# KiCad board panel.kicad_pcb
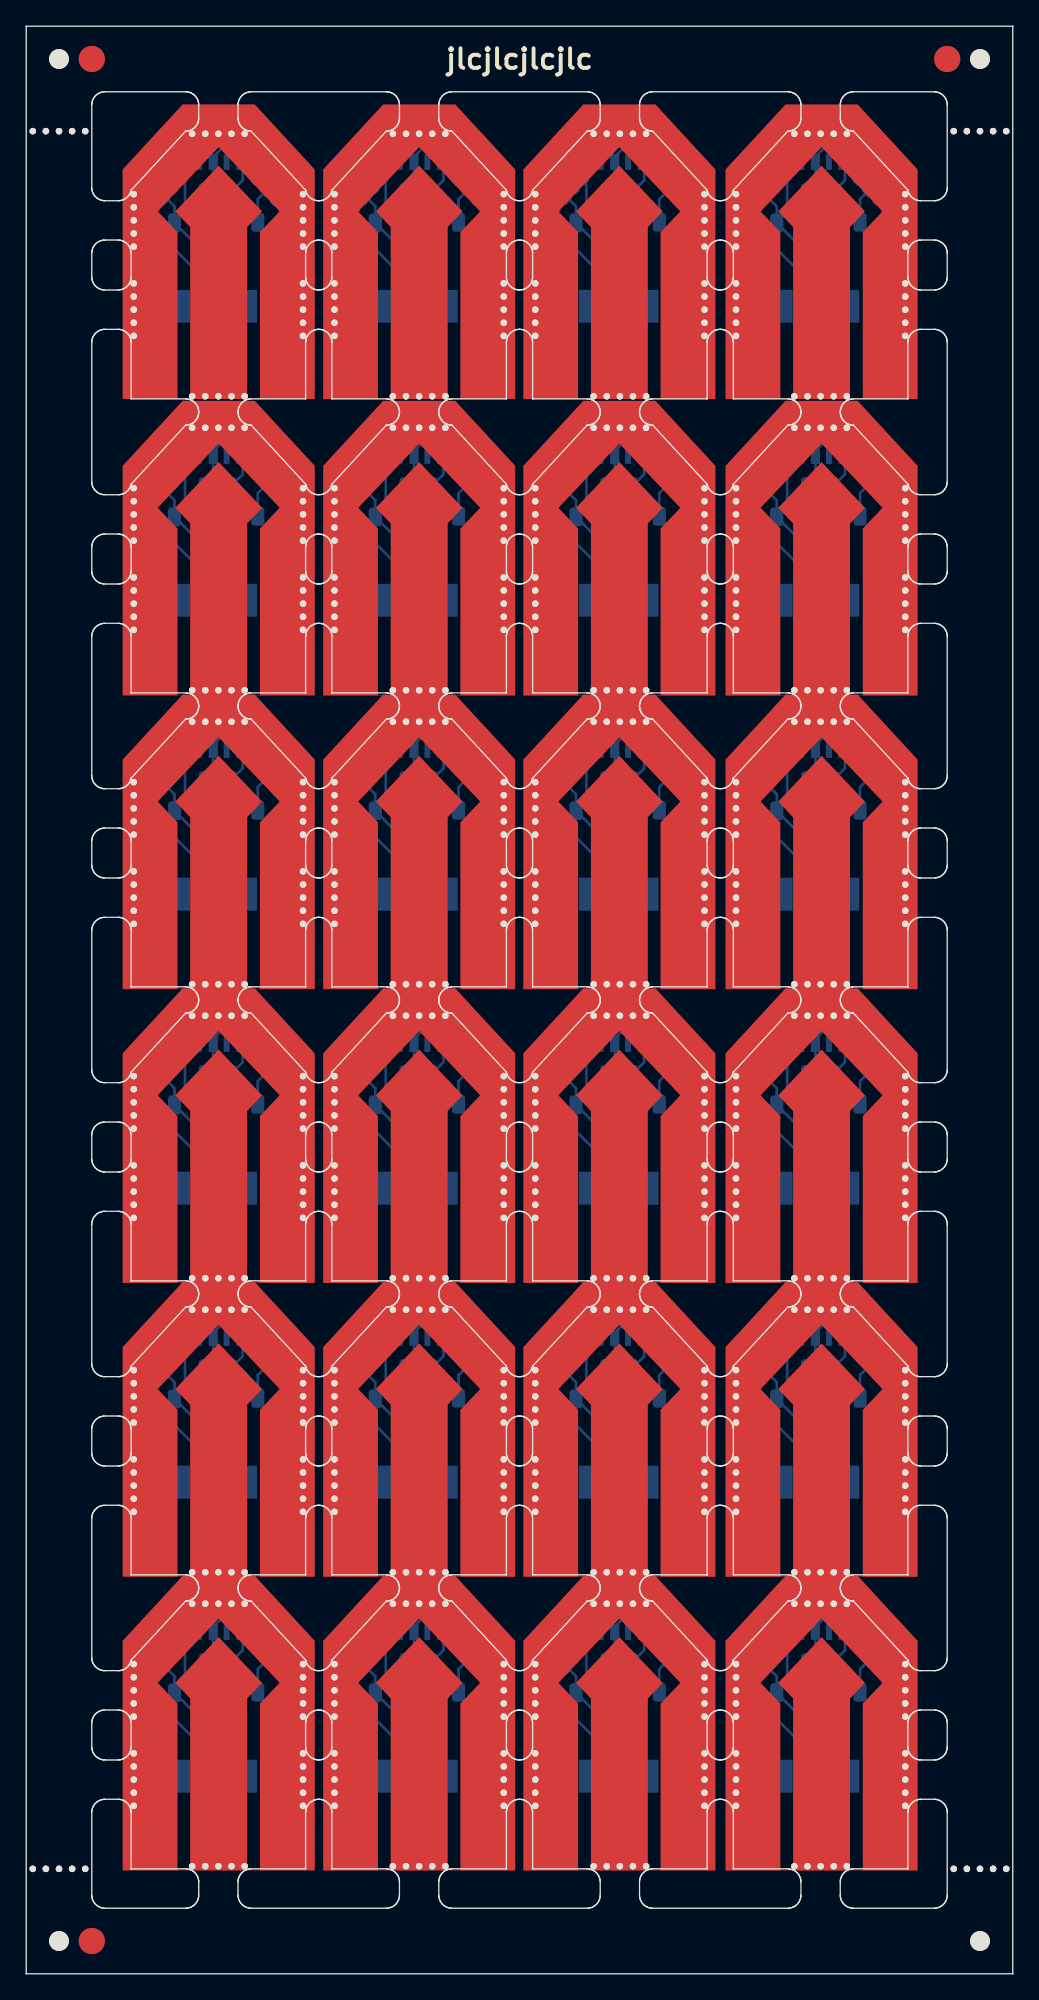
[diagram p0: board, top side]
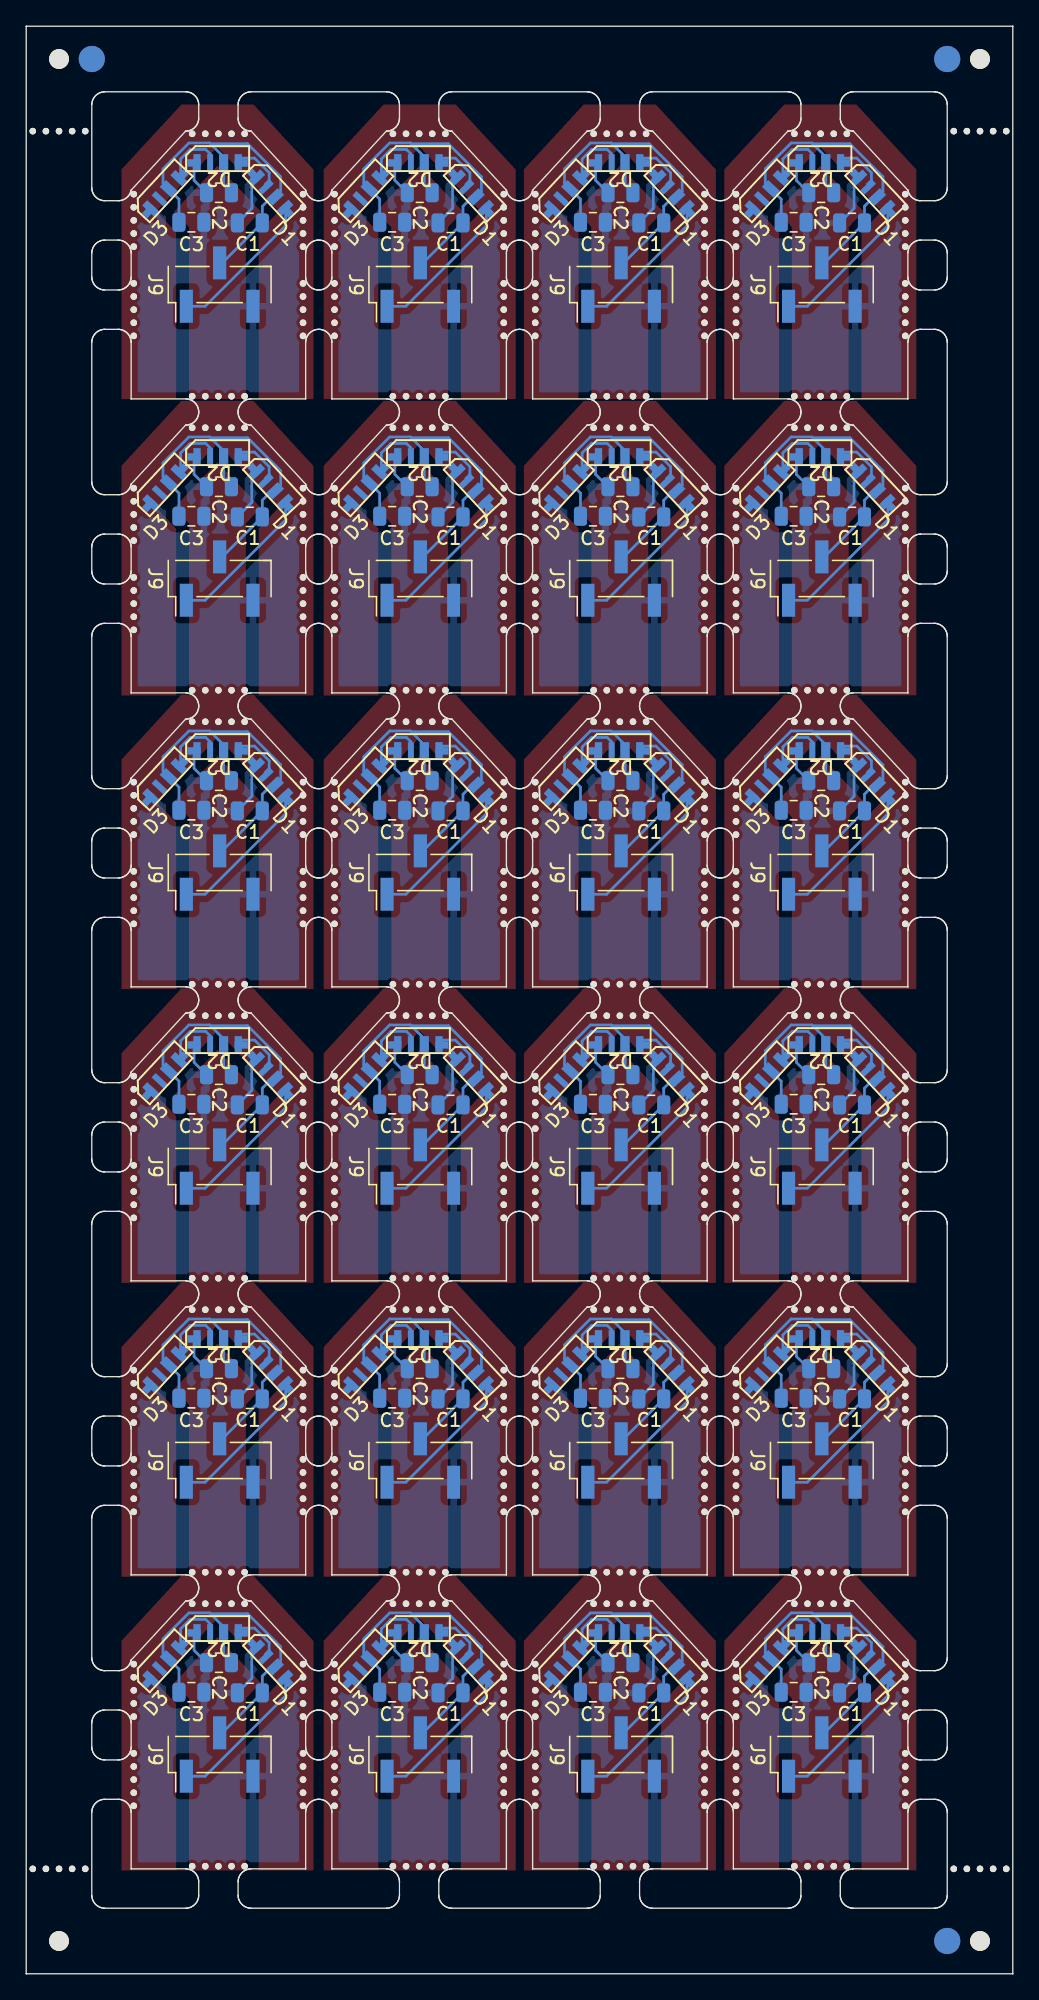
[diagram p1: board, bottom side, seen from below]

Outline 75.23 x 148.51 mm; copper layers: Top, Bottom. Coordinates in mm from the lower left corner of the outline.

## Placement (name value [footprint] x y rotation side)
C1  C_Small  [C_0805_2012Metric]  12.26 133.51 180 bottom
C1#2  C_Small  [C_0805_2012Metric]  58.19 111.09 180 bottom
C1#3  C_Small  [C_0805_2012Metric]  12.26 88.67 180 bottom
C1#4  C_Small  [C_0805_2012Metric]  58.19 21.42 180 bottom
C1#5  C_Small  [C_0805_2012Metric]  27.57 88.67 180 bottom
C1#6  C_Small  [C_0805_2012Metric]  58.19 88.67 180 bottom
C1#7  C_Small  [C_0805_2012Metric]  58.19 66.26 180 bottom
C1#8  C_Small  [C_0805_2012Metric]  27.57 21.42 180 bottom
C1#9  C_Small  [C_0805_2012Metric]  12.26 43.84 180 bottom
C1#10  C_Small  [C_0805_2012Metric]  27.57 43.84 180 bottom
C1#11  C_Small  [C_0805_2012Metric]  42.88 111.09 180 bottom
C1#12  C_Small  [C_0805_2012Metric]  27.57 66.26 180 bottom
C1#13  C_Small  [C_0805_2012Metric]  42.88 133.51 180 bottom
C1#14  C_Small  [C_0805_2012Metric]  58.19 133.51 180 bottom
C1#15  C_Small  [C_0805_2012Metric]  58.19 43.84 180 bottom
C1#16  C_Small  [C_0805_2012Metric]  42.88 21.42 180 bottom
C1#17  C_Small  [C_0805_2012Metric]  42.88 66.26 180 bottom
C1#18  C_Small  [C_0805_2012Metric]  12.26 111.09 180 bottom
C1#19  C_Small  [C_0805_2012Metric]  12.26 66.26 180 bottom
C1#20  C_Small  [C_0805_2012Metric]  12.26 21.42 180 bottom
C1#21  C_Small  [C_0805_2012Metric]  42.88 88.67 180 bottom
C1#22  C_Small  [C_0805_2012Metric]  27.57 111.09 180 bottom
C1#23  C_Small  [C_0805_2012Metric]  27.57 133.51 180 bottom
C1#24  C_Small  [C_0805_2012Metric]  42.88 43.84 180 bottom
C2  C_Small  [C_0805_2012Metric]  14.61 90.97 180 bottom
C2#2  C_Small  [C_0805_2012Metric]  45.23 113.39 180 bottom
C2#3  C_Small  [C_0805_2012Metric]  45.23 23.72 180 bottom
C2#4  C_Small  [C_0805_2012Metric]  45.23 135.81 180 bottom
C2#5  C_Small  [C_0805_2012Metric]  29.92 135.81 180 bottom
C2#6  C_Small  [C_0805_2012Metric]  45.23 90.97 180 bottom
C2#7  C_Small  [C_0805_2012Metric]  29.92 90.97 180 bottom
C2#8  C_Small  [C_0805_2012Metric]  60.54 23.72 180 bottom
C2#9  C_Small  [C_0805_2012Metric]  60.54 68.56 180 bottom
C2#10  C_Small  [C_0805_2012Metric]  45.23 46.14 180 bottom
C2#11  C_Small  [C_0805_2012Metric]  60.54 113.39 180 bottom
C2#12  C_Small  [C_0805_2012Metric]  45.23 68.56 180 bottom
C2#13  C_Small  [C_0805_2012Metric]  14.61 46.14 180 bottom
C2#14  C_Small  [C_0805_2012Metric]  60.54 46.14 180 bottom
C2#15  C_Small  [C_0805_2012Metric]  14.61 68.56 180 bottom
C2#16  C_Small  [C_0805_2012Metric]  29.92 23.72 180 bottom
C2#17  C_Small  [C_0805_2012Metric]  60.54 135.81 180 bottom
C2#18  C_Small  [C_0805_2012Metric]  29.92 68.56 180 bottom
C2#19  C_Small  [C_0805_2012Metric]  14.61 113.39 180 bottom
C2#20  C_Small  [C_0805_2012Metric]  14.61 135.81 180 bottom
C2#21  C_Small  [C_0805_2012Metric]  29.92 46.14 180 bottom
C2#22  C_Small  [C_0805_2012Metric]  29.92 113.39 180 bottom
C2#23  C_Small  [C_0805_2012Metric]  14.61 23.72 180 bottom
C2#24  C_Small  [C_0805_2012Metric]  60.54 90.97 180 bottom
C3  C_Small  [C_0805_2012Metric]  62.64 111.14 0 bottom
C3#2  C_Small  [C_0805_2012Metric]  32.02 88.72 0 bottom
C3#3  C_Small  [C_0805_2012Metric]  47.33 88.72 0 bottom
C3#4  C_Small  [C_0805_2012Metric]  16.71 88.72 0 bottom
C3#5  C_Small  [C_0805_2012Metric]  62.64 133.56 0 bottom
C3#6  C_Small  [C_0805_2012Metric]  16.71 111.14 0 bottom
C3#7  C_Small  [C_0805_2012Metric]  62.64 43.89 0 bottom
C3#8  C_Small  [C_0805_2012Metric]  32.02 111.14 0 bottom
C3#9  C_Small  [C_0805_2012Metric]  47.33 111.14 0 bottom
C3#10  C_Small  [C_0805_2012Metric]  16.71 66.31 0 bottom
C3#11  C_Small  [C_0805_2012Metric]  62.64 21.47 0 bottom
C3#12  C_Small  [C_0805_2012Metric]  16.71 133.56 0 bottom
C3#13  C_Small  [C_0805_2012Metric]  62.64 66.31 0 bottom
C3#14  C_Small  [C_0805_2012Metric]  47.33 133.56 0 bottom
C3#15  C_Small  [C_0805_2012Metric]  32.02 43.89 0 bottom
C3#16  C_Small  [C_0805_2012Metric]  32.02 133.56 0 bottom
C3#17  C_Small  [C_0805_2012Metric]  47.33 43.89 0 bottom
C3#18  C_Small  [C_0805_2012Metric]  16.71 43.89 0 bottom
C3#19  C_Small  [C_0805_2012Metric]  16.71 21.47 0 bottom
C3#20  C_Small  [C_0805_2012Metric]  32.02 21.47 0 bottom
C3#21  C_Small  [C_0805_2012Metric]  47.33 21.47 0 bottom
C3#22  C_Small  [C_0805_2012Metric]  47.33 66.31 0 bottom
C3#23  C_Small  [C_0805_2012Metric]  32.02 66.31 0 bottom
C3#24  C_Small  [C_0805_2012Metric]  62.64 88.72 0 bottom
D1  SK6812  [SK6812SIDE-A-RVS]  56.49 113.34 47 bottom
D1#2  SK6812  [SK6812SIDE-A-RVS]  10.56 68.51 47 bottom
D1#3  SK6812  [SK6812SIDE-A-RVS]  56.49 68.51 47 bottom
D1#4  SK6812  [SK6812SIDE-A-RVS]  25.87 23.67 47 bottom
D1#5  SK6812  [SK6812SIDE-A-RVS]  10.56 90.92 47 bottom
D1#6  SK6812  [SK6812SIDE-A-RVS]  10.56 113.34 47 bottom
D1#7  SK6812  [SK6812SIDE-A-RVS]  41.18 90.92 47 bottom
D1#8  SK6812  [SK6812SIDE-A-RVS]  41.18 46.09 47 bottom
D1#9  SK6812  [SK6812SIDE-A-RVS]  10.56 135.76 47 bottom
D1#10  SK6812  [SK6812SIDE-A-RVS]  41.18 68.51 47 bottom
D1#11  SK6812  [SK6812SIDE-A-RVS]  56.49 23.67 47 bottom
D1#12  SK6812  [SK6812SIDE-A-RVS]  41.18 113.34 47 bottom
D1#13  SK6812  [SK6812SIDE-A-RVS]  56.49 90.92 47 bottom
D1#14  SK6812  [SK6812SIDE-A-RVS]  25.87 113.34 47 bottom
D1#15  SK6812  [SK6812SIDE-A-RVS]  56.49 46.09 47 bottom
D1#16  SK6812  [SK6812SIDE-A-RVS]  25.87 135.76 47 bottom
D1#17  SK6812  [SK6812SIDE-A-RVS]  56.49 135.76 47 bottom
D1#18  SK6812  [SK6812SIDE-A-RVS]  10.56 23.67 47 bottom
D1#19  SK6812  [SK6812SIDE-A-RVS]  25.87 90.92 47 bottom
D1#20  SK6812  [SK6812SIDE-A-RVS]  41.18 23.67 47 bottom
D1#21  SK6812  [SK6812SIDE-A-RVS]  10.56 46.09 47 bottom
D1#22  SK6812  [SK6812SIDE-A-RVS]  25.87 68.51 47 bottom
D1#23  SK6812  [SK6812SIDE-A-RVS]  25.87 46.09 47 bottom
D1#24  SK6812  [SK6812SIDE-A-RVS]  41.18 135.76 47 bottom
D2  SK6812  [SK6812SIDE-A-RVS]  14.61 26.07 0 bottom
D2#2  SK6812  [SK6812SIDE-A-RVS]  60.54 26.07 0 bottom
D2#3  SK6812  [SK6812SIDE-A-RVS]  45.23 26.07 0 bottom
D2#4  SK6812  [SK6812SIDE-A-RVS]  14.61 70.91 0 bottom
D2#5  SK6812  [SK6812SIDE-A-RVS]  60.54 48.49 0 bottom
D2#6  SK6812  [SK6812SIDE-A-RVS]  29.92 48.49 0 bottom
D2#7  SK6812  [SK6812SIDE-A-RVS]  60.54 138.16 0 bottom
D2#8  SK6812  [SK6812SIDE-A-RVS]  29.92 138.16 0 bottom
D2#9  SK6812  [SK6812SIDE-A-RVS]  60.54 93.32 0 bottom
D2#10  SK6812  [SK6812SIDE-A-RVS]  14.61 93.32 0 bottom
D2#11  SK6812  [SK6812SIDE-A-RVS]  29.92 26.07 0 bottom
D2#12  SK6812  [SK6812SIDE-A-RVS]  14.61 115.74 0 bottom
D2#13  SK6812  [SK6812SIDE-A-RVS]  45.23 70.91 0 bottom
D2#14  SK6812  [SK6812SIDE-A-RVS]  45.23 138.16 0 bottom
D2#15  SK6812  [SK6812SIDE-A-RVS]  60.54 115.74 0 bottom
D2#16  SK6812  [SK6812SIDE-A-RVS]  14.61 138.16 0 bottom
D2#17  SK6812  [SK6812SIDE-A-RVS]  45.23 93.32 0 bottom
D2#18  SK6812  [SK6812SIDE-A-RVS]  45.23 115.74 0 bottom
D2#19  SK6812  [SK6812SIDE-A-RVS]  29.92 70.91 0 bottom
D2#20  SK6812  [SK6812SIDE-A-RVS]  14.61 48.49 0 bottom
D2#21  SK6812  [SK6812SIDE-A-RVS]  60.54 70.91 0 bottom
D2#22  SK6812  [SK6812SIDE-A-RVS]  29.92 115.74 0 bottom
D2#23  SK6812  [SK6812SIDE-A-RVS]  45.23 48.49 0 bottom
D2#24  SK6812  [SK6812SIDE-A-RVS]  29.92 93.32 0 bottom
D3  SK6812  [SK6812SIDE-A-RVS]  18.7 113.44 313 bottom
D3#2  SK6812  [SK6812SIDE-A-RVS]  18.7 23.77 313 bottom
D3#3  SK6812  [SK6812SIDE-A-RVS]  34.01 46.19 313 bottom
D3#4  SK6812  [SK6812SIDE-A-RVS]  64.62 46.19 313 bottom
D3#5  SK6812  [SK6812SIDE-A-RVS]  34.01 135.86 313 bottom
D3#6  SK6812  [SK6812SIDE-A-RVS]  18.7 68.61 313 bottom
D3#7  SK6812  [SK6812SIDE-A-RVS]  49.32 91.03 313 bottom
D3#8  SK6812  [SK6812SIDE-A-RVS]  18.7 91.03 313 bottom
D3#9  SK6812  [SK6812SIDE-A-RVS]  49.32 113.44 313 bottom
D3#10  SK6812  [SK6812SIDE-A-RVS]  49.32 135.86 313 bottom
D3#11  SK6812  [SK6812SIDE-A-RVS]  34.01 68.61 313 bottom
D3#12  SK6812  [SK6812SIDE-A-RVS]  64.62 113.44 313 bottom
D3#13  SK6812  [SK6812SIDE-A-RVS]  34.01 113.44 313 bottom
D3#14  SK6812  [SK6812SIDE-A-RVS]  64.62 68.61 313 bottom
D3#15  SK6812  [SK6812SIDE-A-RVS]  34.01 23.77 313 bottom
D3#16  SK6812  [SK6812SIDE-A-RVS]  49.32 23.77 313 bottom
D3#17  SK6812  [SK6812SIDE-A-RVS]  64.62 91.03 313 bottom
D3#18  SK6812  [SK6812SIDE-A-RVS]  64.62 135.86 313 bottom
D3#19  SK6812  [SK6812SIDE-A-RVS]  18.7 46.19 313 bottom
D3#20  SK6812  [SK6812SIDE-A-RVS]  49.32 46.19 313 bottom
D3#21  SK6812  [SK6812SIDE-A-RVS]  18.7 135.86 313 bottom
D3#22  SK6812  [SK6812SIDE-A-RVS]  49.32 68.61 313 bottom
D3#23  SK6812  [SK6812SIDE-A-RVS]  34.01 91.03 313 bottom
D3#24  SK6812  [SK6812SIDE-A-RVS]  64.62 23.77 313 bottom
J9  Conn_01x03  [PinHeader_1x03_P2.54mm_Vertical_SMD_Pin1Left]  29.87 16.72 90 bottom
J9#2  Conn_01x03  [PinHeader_1x03_P2.54mm_Vertical_SMD_Pin1Left]  45.18 106.39 90 bottom
J9#3  Conn_01x03  [PinHeader_1x03_P2.54mm_Vertical_SMD_Pin1Left]  29.87 128.81 90 bottom
J9#4  Conn_01x03  [PinHeader_1x03_P2.54mm_Vertical_SMD_Pin1Left]  14.56 83.97 90 bottom
J9#5  Conn_01x03  [PinHeader_1x03_P2.54mm_Vertical_SMD_Pin1Left]  60.49 16.72 90 bottom
J9#6  Conn_01x03  [PinHeader_1x03_P2.54mm_Vertical_SMD_Pin1Left]  29.87 61.56 90 bottom
J9#7  Conn_01x03  [PinHeader_1x03_P2.54mm_Vertical_SMD_Pin1Left]  14.56 128.81 90 bottom
J9#8  Conn_01x03  [PinHeader_1x03_P2.54mm_Vertical_SMD_Pin1Left]  45.18 83.97 90 bottom
J9#9  Conn_01x03  [PinHeader_1x03_P2.54mm_Vertical_SMD_Pin1Left]  45.18 128.81 90 bottom
J9#10  Conn_01x03  [PinHeader_1x03_P2.54mm_Vertical_SMD_Pin1Left]  14.56 61.56 90 bottom
J9#11  Conn_01x03  [PinHeader_1x03_P2.54mm_Vertical_SMD_Pin1Left]  60.49 39.14 90 bottom
J9#12  Conn_01x03  [PinHeader_1x03_P2.54mm_Vertical_SMD_Pin1Left]  14.56 39.14 90 bottom
J9#13  Conn_01x03  [PinHeader_1x03_P2.54mm_Vertical_SMD_Pin1Left]  29.87 106.39 90 bottom
J9#14  Conn_01x03  [PinHeader_1x03_P2.54mm_Vertical_SMD_Pin1Left]  14.56 16.72 90 bottom
J9#15  Conn_01x03  [PinHeader_1x03_P2.54mm_Vertical_SMD_Pin1Left]  29.87 39.14 90 bottom
J9#16  Conn_01x03  [PinHeader_1x03_P2.54mm_Vertical_SMD_Pin1Left]  60.49 106.39 90 bottom
J9#17  Conn_01x03  [PinHeader_1x03_P2.54mm_Vertical_SMD_Pin1Left]  60.49 83.97 90 bottom
J9#18  Conn_01x03  [PinHeader_1x03_P2.54mm_Vertical_SMD_Pin1Left]  45.18 61.56 90 bottom
J9#19  Conn_01x03  [PinHeader_1x03_P2.54mm_Vertical_SMD_Pin1Left]  60.49 128.81 90 bottom
J9#20  Conn_01x03  [PinHeader_1x03_P2.54mm_Vertical_SMD_Pin1Left]  45.18 39.14 90 bottom
J9#21  Conn_01x03  [PinHeader_1x03_P2.54mm_Vertical_SMD_Pin1Left]  60.49 61.56 90 bottom
J9#22  Conn_01x03  [PinHeader_1x03_P2.54mm_Vertical_SMD_Pin1Left]  14.56 106.39 90 bottom
J9#23  Conn_01x03  [PinHeader_1x03_P2.54mm_Vertical_SMD_Pin1Left]  29.87 83.97 90 bottom
J9#24  Conn_01x03  [PinHeader_1x03_P2.54mm_Vertical_SMD_Pin1Left]  45.18 16.72 90 bottom
KiKit_FID_B_1  -  [Fiducial]  5 146.01 180 bottom
KiKit_FID_B_2  -  [Fiducial]  70.23 146.01 180 bottom
KiKit_FID_B_3  -  [Fiducial]  5 2.5 180 bottom
KiKit_FID_T_1  -  [Fiducial]  5 146.01 0 top
KiKit_FID_T_2  -  [Fiducial]  70.23 146.01 0 top
KiKit_FID_T_3  -  [Fiducial]  5 2.5 0 top
KiKit_MB_1_1  -  [NPTH]  8.2 131.7 0 top
KiKit_MB_1_2  -  [NPTH]  8.2 132.7 0 top
KiKit_MB_1_3  -  [NPTH]  8.2 133.7 0 top
KiKit_MB_1_4  -  [NPTH]  8.2 134.7 0 top
KiKit_MB_1_5  -  [NPTH]  8.2 135.7 0 top
KiKit_MB_2_1  -  [NPTH]  8.2 124.9 0 top
KiKit_MB_2_2  -  [NPTH]  8.2 125.9 0 top
KiKit_MB_2_3  -  [NPTH]  8.2 126.9 0 top
KiKit_MB_2_4  -  [NPTH]  8.2 127.9 0 top
KiKit_MB_2_5  -  [NPTH]  8.2 128.9 0 top
KiKit_MB_3_1  -  [NPTH]  21.11 135.7 0 top
KiKit_MB_3_2  -  [NPTH]  21.11 134.7 0 top
KiKit_MB_3_3  -  [NPTH]  21.11 133.7 0 top
KiKit_MB_3_4  -  [NPTH]  21.11 132.7 0 top
KiKit_MB_3_5  -  [NPTH]  21.11 131.7 0 top
KiKit_MB_4_1  -  [NPTH]  21.11 128.9 0 top
KiKit_MB_4_2  -  [NPTH]  21.11 127.9 0 top
KiKit_MB_4_3  -  [NPTH]  21.11 126.9 0 top
KiKit_MB_4_4  -  [NPTH]  21.11 125.9 0 top
KiKit_MB_4_5  -  [NPTH]  21.11 124.9 0 top
KiKit_MB_5_1  -  [NPTH]  12.65 140.31 0 top
KiKit_MB_5_2  -  [NPTH]  13.65 140.31 0 top
KiKit_MB_5_3  -  [NPTH]  14.65 140.31 0 top
KiKit_MB_5_4  -  [NPTH]  15.65 140.31 0 top
KiKit_MB_5_5  -  [NPTH]  16.65 140.31 0 top
KiKit_MB_6_1  -  [NPTH]  16.65 120.29 0 top
KiKit_MB_6_2  -  [NPTH]  15.65 120.29 0 top
KiKit_MB_6_3  -  [NPTH]  14.65 120.29 0 top
KiKit_MB_6_4  -  [NPTH]  13.65 120.29 0 top
KiKit_MB_6_5  -  [NPTH]  12.65 120.29 0 top
KiKit_MB_7_1  -  [NPTH]  23.51 131.7 0 top
KiKit_MB_7_2  -  [NPTH]  23.51 132.7 0 top
KiKit_MB_7_3  -  [NPTH]  23.51 133.7 0 top
KiKit_MB_7_4  -  [NPTH]  23.51 134.7 0 top
KiKit_MB_7_5  -  [NPTH]  23.51 135.7 0 top
KiKit_MB_8_1  -  [NPTH]  23.51 124.9 0 top
KiKit_MB_8_2  -  [NPTH]  23.51 125.9 0 top
KiKit_MB_8_3  -  [NPTH]  23.51 126.9 0 top
KiKit_MB_8_4  -  [NPTH]  23.51 127.9 0 top
KiKit_MB_8_5  -  [NPTH]  23.51 128.9 0 top
KiKit_MB_9_1  -  [NPTH]  36.42 135.7 0 top
KiKit_MB_9_2  -  [NPTH]  36.42 134.7 0 top
KiKit_MB_9_3  -  [NPTH]  36.42 133.7 0 top
KiKit_MB_9_4  -  [NPTH]  36.42 132.7 0 top
KiKit_MB_9_5  -  [NPTH]  36.42 131.7 0 top
KiKit_MB_10_1  -  [NPTH]  36.42 128.9 0 top
KiKit_MB_10_2  -  [NPTH]  36.42 127.9 0 top
KiKit_MB_10_3  -  [NPTH]  36.42 126.9 0 top
KiKit_MB_10_4  -  [NPTH]  36.42 125.9 0 top
KiKit_MB_10_5  -  [NPTH]  36.42 124.9 0 top
KiKit_MB_11_1  -  [NPTH]  27.96 140.31 0 top
KiKit_MB_11_2  -  [NPTH]  28.96 140.31 0 top
KiKit_MB_11_3  -  [NPTH]  29.96 140.31 0 top
KiKit_MB_11_4  -  [NPTH]  30.96 140.31 0 top
KiKit_MB_11_5  -  [NPTH]  31.96 140.31 0 top
KiKit_MB_12_1  -  [NPTH]  31.96 120.29 0 top
KiKit_MB_12_2  -  [NPTH]  30.96 120.29 0 top
KiKit_MB_12_3  -  [NPTH]  29.96 120.29 0 top
KiKit_MB_12_4  -  [NPTH]  28.96 120.29 0 top
KiKit_MB_12_5  -  [NPTH]  27.96 120.29 0 top
KiKit_MB_13_1  -  [NPTH]  38.82 131.7 0 top
KiKit_MB_13_2  -  [NPTH]  38.82 132.7 0 top
KiKit_MB_13_3  -  [NPTH]  38.82 133.7 0 top
KiKit_MB_13_4  -  [NPTH]  38.82 134.7 0 top
KiKit_MB_13_5  -  [NPTH]  38.82 135.7 0 top
KiKit_MB_14_1  -  [NPTH]  38.82 124.9 0 top
KiKit_MB_14_2  -  [NPTH]  38.82 125.9 0 top
KiKit_MB_14_3  -  [NPTH]  38.82 126.9 0 top
KiKit_MB_14_4  -  [NPTH]  38.82 127.9 0 top
KiKit_MB_14_5  -  [NPTH]  38.82 128.9 0 top
KiKit_MB_15_1  -  [NPTH]  51.73 135.7 0 top
KiKit_MB_15_2  -  [NPTH]  51.73 134.7 0 top
KiKit_MB_15_3  -  [NPTH]  51.73 133.7 0 top
KiKit_MB_15_4  -  [NPTH]  51.73 132.7 0 top
KiKit_MB_15_5  -  [NPTH]  51.73 131.7 0 top
KiKit_MB_16_1  -  [NPTH]  51.73 128.9 0 top
KiKit_MB_16_2  -  [NPTH]  51.73 127.9 0 top
KiKit_MB_16_3  -  [NPTH]  51.73 126.9 0 top
KiKit_MB_16_4  -  [NPTH]  51.73 125.9 0 top
KiKit_MB_16_5  -  [NPTH]  51.73 124.9 0 top
KiKit_MB_17_1  -  [NPTH]  43.27 140.31 0 top
KiKit_MB_17_2  -  [NPTH]  44.27 140.31 0 top
KiKit_MB_17_3  -  [NPTH]  45.27 140.31 0 top
KiKit_MB_17_4  -  [NPTH]  46.27 140.31 0 top
KiKit_MB_17_5  -  [NPTH]  47.27 140.31 0 top
KiKit_MB_18_1  -  [NPTH]  47.27 120.29 0 top
KiKit_MB_18_2  -  [NPTH]  46.27 120.29 0 top
KiKit_MB_18_3  -  [NPTH]  45.27 120.29 0 top
KiKit_MB_18_4  -  [NPTH]  44.27 120.29 0 top
KiKit_MB_18_5  -  [NPTH]  43.27 120.29 0 top
KiKit_MB_19_1  -  [NPTH]  54.13 131.7 0 top
KiKit_MB_19_2  -  [NPTH]  54.13 132.7 0 top
KiKit_MB_19_3  -  [NPTH]  54.13 133.7 0 top
KiKit_MB_19_4  -  [NPTH]  54.13 134.7 0 top
KiKit_MB_19_5  -  [NPTH]  54.13 135.7 0 top
KiKit_MB_20_1  -  [NPTH]  54.13 124.9 0 top
KiKit_MB_20_2  -  [NPTH]  54.13 125.9 0 top
KiKit_MB_20_3  -  [NPTH]  54.13 126.9 0 top
KiKit_MB_20_4  -  [NPTH]  54.13 127.9 0 top
KiKit_MB_20_5  -  [NPTH]  54.13 128.9 0 top
KiKit_MB_21_1  -  [NPTH]  67.03 135.7 0 top
KiKit_MB_21_2  -  [NPTH]  67.03 134.7 0 top
KiKit_MB_21_3  -  [NPTH]  67.03 133.7 0 top
KiKit_MB_21_4  -  [NPTH]  67.03 132.7 0 top
KiKit_MB_21_5  -  [NPTH]  67.03 131.7 0 top
KiKit_MB_22_1  -  [NPTH]  67.03 128.9 0 top
KiKit_MB_22_2  -  [NPTH]  67.03 127.9 0 top
KiKit_MB_22_3  -  [NPTH]  67.03 126.9 0 top
KiKit_MB_22_4  -  [NPTH]  67.03 125.9 0 top
KiKit_MB_22_5  -  [NPTH]  67.03 124.9 0 top
KiKit_MB_23_1  -  [NPTH]  58.58 140.31 0 top
KiKit_MB_23_2  -  [NPTH]  59.58 140.31 0 top
KiKit_MB_23_3  -  [NPTH]  60.58 140.31 0 top
KiKit_MB_23_4  -  [NPTH]  61.58 140.31 0 top
KiKit_MB_23_5  -  [NPTH]  62.58 140.31 0 top
KiKit_MB_24_1  -  [NPTH]  62.58 120.29 0 top
KiKit_MB_24_2  -  [NPTH]  61.58 120.29 0 top
KiKit_MB_24_3  -  [NPTH]  60.58 120.29 0 top
KiKit_MB_24_4  -  [NPTH]  59.58 120.29 0 top
KiKit_MB_24_5  -  [NPTH]  58.58 120.29 0 top
KiKit_MB_25_1  -  [NPTH]  8.2 109.28 0 top
KiKit_MB_25_2  -  [NPTH]  8.2 110.28 0 top
KiKit_MB_25_3  -  [NPTH]  8.2 111.28 0 top
KiKit_MB_25_4  -  [NPTH]  8.2 112.28 0 top
KiKit_MB_25_5  -  [NPTH]  8.2 113.28 0 top
KiKit_MB_26_1  -  [NPTH]  8.2 102.48 0 top
KiKit_MB_26_2  -  [NPTH]  8.2 103.48 0 top
KiKit_MB_26_3  -  [NPTH]  8.2 104.48 0 top
KiKit_MB_26_4  -  [NPTH]  8.2 105.48 0 top
KiKit_MB_26_5  -  [NPTH]  8.2 106.48 0 top
KiKit_MB_27_1  -  [NPTH]  21.11 113.28 0 top
KiKit_MB_27_2  -  [NPTH]  21.11 112.28 0 top
KiKit_MB_27_3  -  [NPTH]  21.11 111.28 0 top
KiKit_MB_27_4  -  [NPTH]  21.11 110.28 0 top
KiKit_MB_27_5  -  [NPTH]  21.11 109.28 0 top
KiKit_MB_28_1  -  [NPTH]  21.11 106.48 0 top
KiKit_MB_28_2  -  [NPTH]  21.11 105.48 0 top
KiKit_MB_28_3  -  [NPTH]  21.11 104.48 0 top
KiKit_MB_28_4  -  [NPTH]  21.11 103.48 0 top
KiKit_MB_28_5  -  [NPTH]  21.11 102.48 0 top
KiKit_MB_29_1  -  [NPTH]  12.65 117.89 0 top
KiKit_MB_29_2  -  [NPTH]  13.65 117.89 0 top
KiKit_MB_29_3  -  [NPTH]  14.65 117.89 0 top
KiKit_MB_29_4  -  [NPTH]  15.65 117.89 0 top
KiKit_MB_29_5  -  [NPTH]  16.65 117.89 0 top
KiKit_MB_30_1  -  [NPTH]  16.65 97.87 0 top
KiKit_MB_30_2  -  [NPTH]  15.65 97.87 0 top
KiKit_MB_30_3  -  [NPTH]  14.65 97.87 0 top
KiKit_MB_30_4  -  [NPTH]  13.65 97.87 0 top
KiKit_MB_30_5  -  [NPTH]  12.65 97.87 0 top
KiKit_MB_31_1  -  [NPTH]  23.51 109.28 0 top
KiKit_MB_31_2  -  [NPTH]  23.51 110.28 0 top
KiKit_MB_31_3  -  [NPTH]  23.51 111.28 0 top
KiKit_MB_31_4  -  [NPTH]  23.51 112.28 0 top
KiKit_MB_31_5  -  [NPTH]  23.51 113.28 0 top
KiKit_MB_32_1  -  [NPTH]  23.51 102.48 0 top
KiKit_MB_32_2  -  [NPTH]  23.51 103.48 0 top
KiKit_MB_32_3  -  [NPTH]  23.51 104.48 0 top
KiKit_MB_32_4  -  [NPTH]  23.51 105.48 0 top
KiKit_MB_32_5  -  [NPTH]  23.51 106.48 0 top
KiKit_MB_33_1  -  [NPTH]  36.42 113.28 0 top
KiKit_MB_33_2  -  [NPTH]  36.42 112.28 0 top
KiKit_MB_33_3  -  [NPTH]  36.42 111.28 0 top
KiKit_MB_33_4  -  [NPTH]  36.42 110.28 0 top
KiKit_MB_33_5  -  [NPTH]  36.42 109.28 0 top
KiKit_MB_34_1  -  [NPTH]  36.42 106.48 0 top
KiKit_MB_34_2  -  [NPTH]  36.42 105.48 0 top
KiKit_MB_34_3  -  [NPTH]  36.42 104.48 0 top
KiKit_MB_34_4  -  [NPTH]  36.42 103.48 0 top
KiKit_MB_34_5  -  [NPTH]  36.42 102.48 0 top
KiKit_MB_35_1  -  [NPTH]  27.96 117.89 0 top
KiKit_MB_35_2  -  [NPTH]  28.96 117.89 0 top
KiKit_MB_35_3  -  [NPTH]  29.96 117.89 0 top
KiKit_MB_35_4  -  [NPTH]  30.96 117.89 0 top
KiKit_MB_35_5  -  [NPTH]  31.96 117.89 0 top
KiKit_MB_36_1  -  [NPTH]  31.96 97.87 0 top
KiKit_MB_36_2  -  [NPTH]  30.96 97.87 0 top
KiKit_MB_36_3  -  [NPTH]  29.96 97.87 0 top
KiKit_MB_36_4  -  [NPTH]  28.96 97.87 0 top
KiKit_MB_36_5  -  [NPTH]  27.96 97.87 0 top
KiKit_MB_37_1  -  [NPTH]  38.82 109.28 0 top
KiKit_MB_37_2  -  [NPTH]  38.82 110.28 0 top
KiKit_MB_37_3  -  [NPTH]  38.82 111.28 0 top
KiKit_MB_37_4  -  [NPTH]  38.82 112.28 0 top
KiKit_MB_37_5  -  [NPTH]  38.82 113.28 0 top
KiKit_MB_38_1  -  [NPTH]  38.82 102.48 0 top
KiKit_MB_38_2  -  [NPTH]  38.82 103.48 0 top
KiKit_MB_38_3  -  [NPTH]  38.82 104.48 0 top
KiKit_MB_38_4  -  [NPTH]  38.82 105.48 0 top
KiKit_MB_38_5  -  [NPTH]  38.82 106.48 0 top
KiKit_MB_39_1  -  [NPTH]  51.73 113.28 0 top
KiKit_MB_39_2  -  [NPTH]  51.73 112.28 0 top
KiKit_MB_39_3  -  [NPTH]  51.73 111.28 0 top
KiKit_MB_39_4  -  [NPTH]  51.73 110.28 0 top
KiKit_MB_39_5  -  [NPTH]  51.73 109.28 0 top
KiKit_MB_40_1  -  [NPTH]  51.73 106.48 0 top
KiKit_MB_40_2  -  [NPTH]  51.73 105.48 0 top
KiKit_MB_40_3  -  [NPTH]  51.73 104.48 0 top
KiKit_MB_40_4  -  [NPTH]  51.73 103.48 0 top
KiKit_MB_40_5  -  [NPTH]  51.73 102.48 0 top
KiKit_MB_41_1  -  [NPTH]  43.27 117.89 0 top
KiKit_MB_41_2  -  [NPTH]  44.27 117.89 0 top
KiKit_MB_41_3  -  [NPTH]  45.27 117.89 0 top
KiKit_MB_41_4  -  [NPTH]  46.27 117.89 0 top
KiKit_MB_41_5  -  [NPTH]  47.27 117.89 0 top
KiKit_MB_42_1  -  [NPTH]  47.27 97.87 0 top
KiKit_MB_42_2  -  [NPTH]  46.27 97.87 0 top
KiKit_MB_42_3  -  [NPTH]  45.27 97.87 0 top
KiKit_MB_42_4  -  [NPTH]  44.27 97.87 0 top
KiKit_MB_42_5  -  [NPTH]  43.27 97.87 0 top
KiKit_MB_43_1  -  [NPTH]  54.13 109.28 0 top
KiKit_MB_43_2  -  [NPTH]  54.13 110.28 0 top
KiKit_MB_43_3  -  [NPTH]  54.13 111.28 0 top
KiKit_MB_43_4  -  [NPTH]  54.13 112.28 0 top
KiKit_MB_43_5  -  [NPTH]  54.13 113.28 0 top
KiKit_MB_44_1  -  [NPTH]  54.13 102.48 0 top
KiKit_MB_44_2  -  [NPTH]  54.13 103.48 0 top
KiKit_MB_44_3  -  [NPTH]  54.13 104.48 0 top
KiKit_MB_44_4  -  [NPTH]  54.13 105.48 0 top
KiKit_MB_44_5  -  [NPTH]  54.13 106.48 0 top
KiKit_MB_45_1  -  [NPTH]  67.03 113.28 0 top
KiKit_MB_45_2  -  [NPTH]  67.03 112.28 0 top
KiKit_MB_45_3  -  [NPTH]  67.03 111.28 0 top
KiKit_MB_45_4  -  [NPTH]  67.03 110.28 0 top
KiKit_MB_45_5  -  [NPTH]  67.03 109.28 0 top
KiKit_MB_46_1  -  [NPTH]  67.03 106.48 0 top
KiKit_MB_46_2  -  [NPTH]  67.03 105.48 0 top
KiKit_MB_46_3  -  [NPTH]  67.03 104.48 0 top
KiKit_MB_46_4  -  [NPTH]  67.03 103.48 0 top
KiKit_MB_46_5  -  [NPTH]  67.03 102.48 0 top
KiKit_MB_47_1  -  [NPTH]  58.58 117.89 0 top